# KiCad board BACKUP_PCB.kicad_pcb (continued)
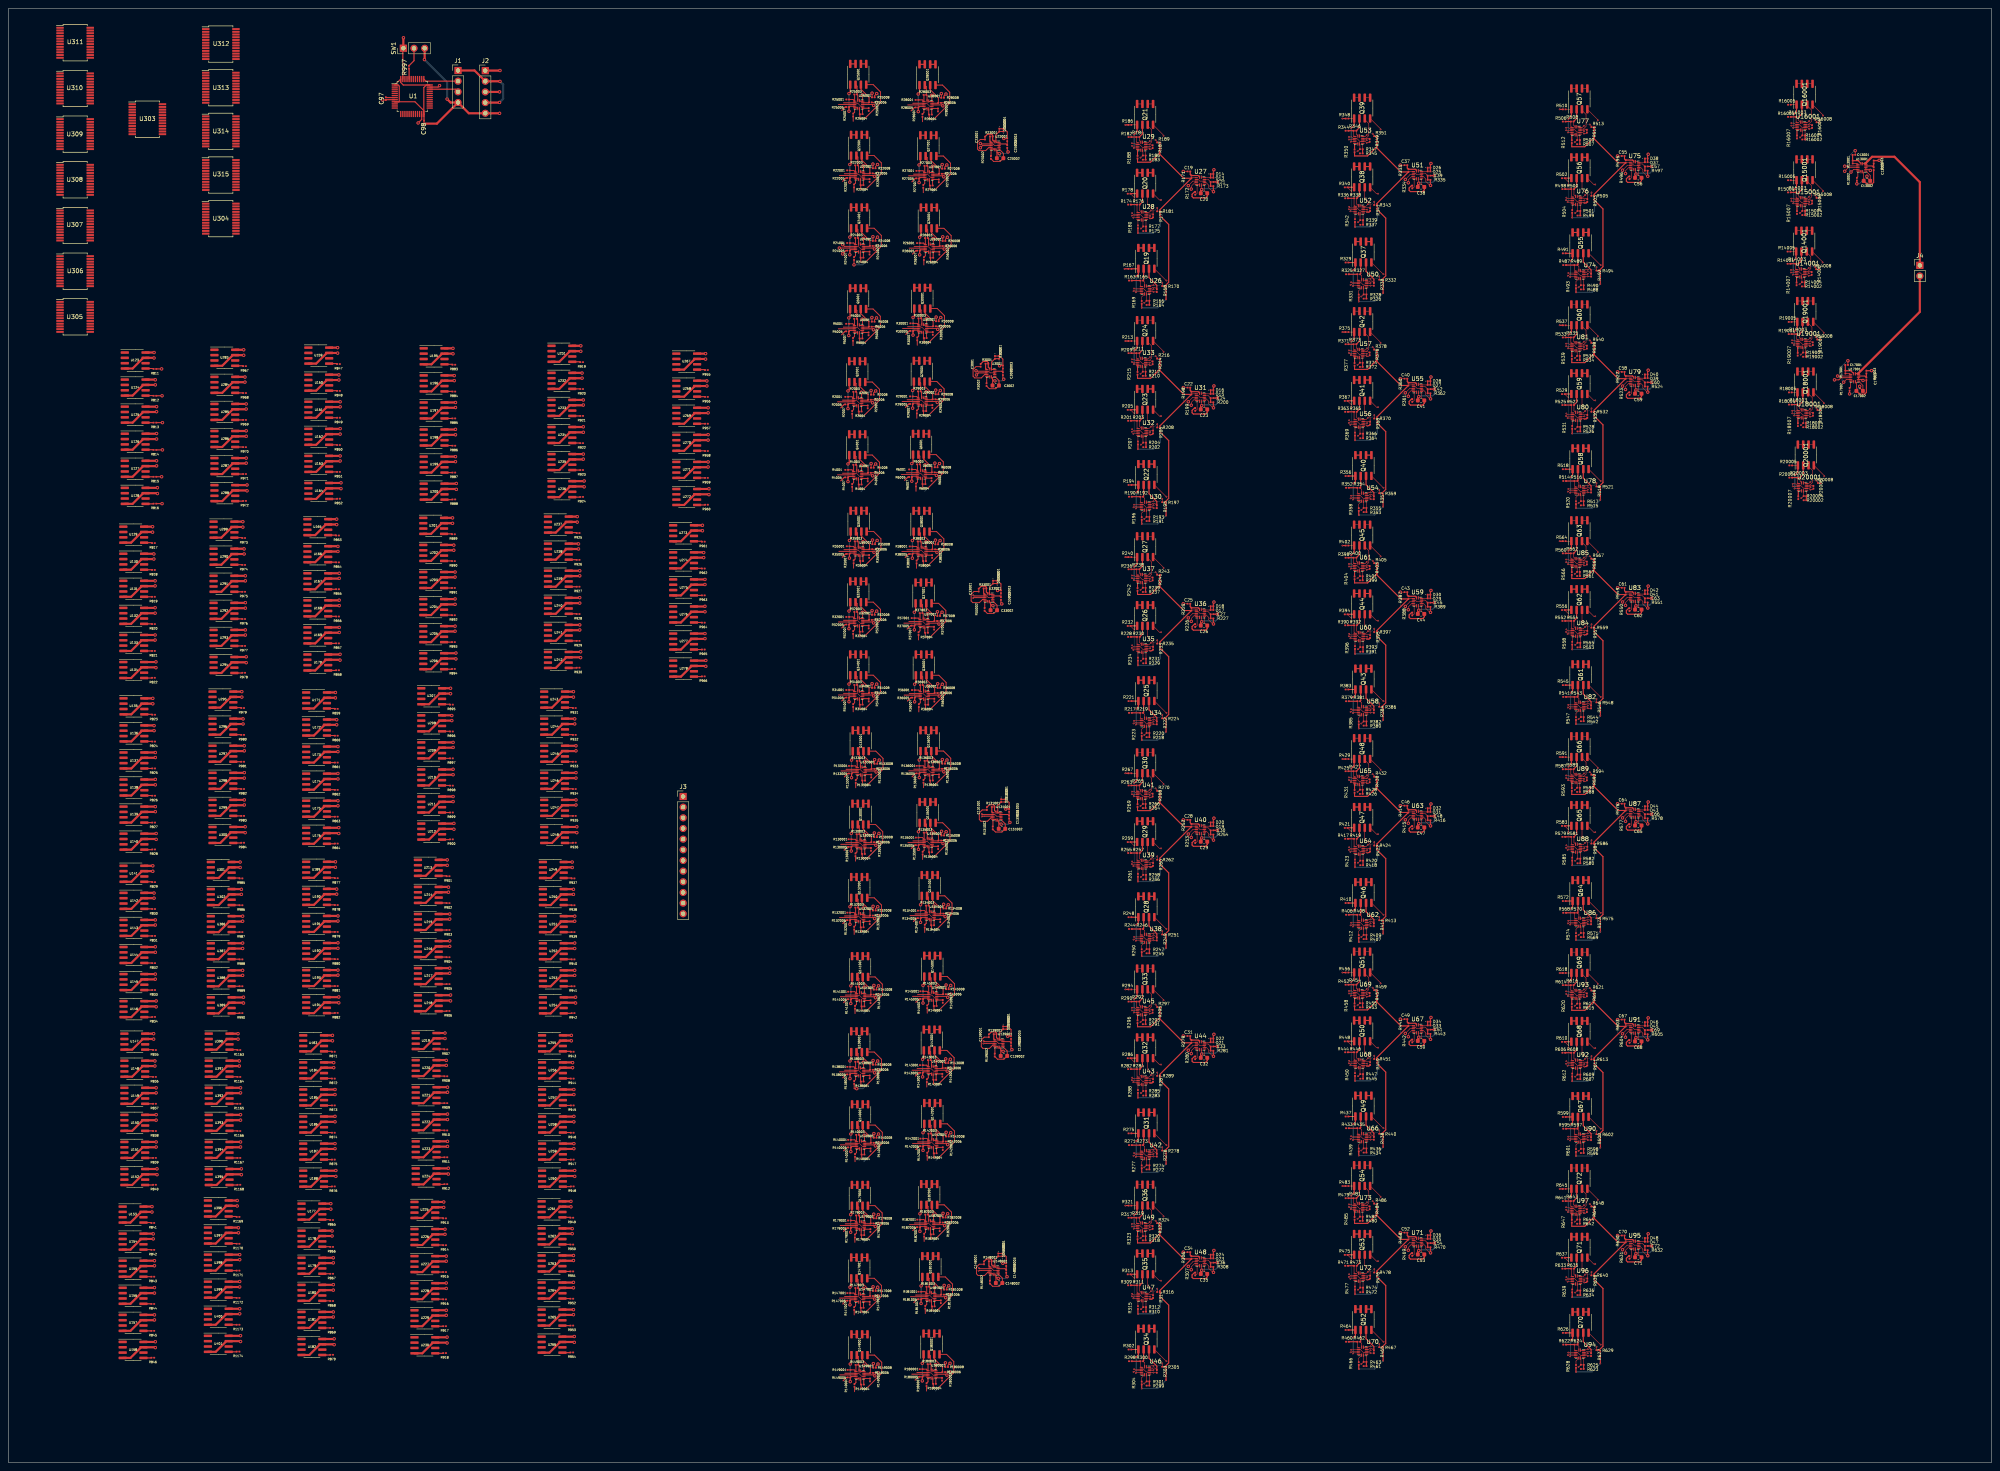
[diagram p0: board, top side]
## Nets (continued)
GND: C97.1 D13.1 D14.2 D15.1 D16.2 D17.1 D18.2 D19.1 D20.2 D21.1 D22.2 D23.1 D24.2 D25.1 D26.2 D27.1 D28.2 D29.1 D30.2 D31.1 D32.2 D33.1 D34.2 D35.1 D36.2 D37.1 D38.2 D39.1 D40.2 D41.1 D42.2 D43.1 D44.2 D45.1 D46.2 D47.1 D48.2 D3001.1 D3002.2 D23001.1 D23002.2 D33001.1 D33002.2 D131001.1 D131002.2 D139001.1 D139002.2 D148001.1 D148002.2 J1.1 J2.2 J2.4 R167.1 R168.1 R173.2 R178.1 R179.1 R186.1 R187.1 R194.1 R195.1 R200.2 R205.1 R206.1 R213.1 R214.1 R221.1 R222.1 R227.2 R232.1 R233.1 R240.1 R241.1 R248.1 R249.1 R254.2 R259.1 R260.1 R267.1 R268.1 R275.1 R276.1 R281.2 R286.1 R287.1 R294.1 R295.1 R302.1 R303.1 R308.2 R313.1 R314.1 R321.1 R322.1 R329.1 R330.1 R335.2 R340.1 R341.1 R348.1 R349.1 R356.1 R357.1 R362.2 R367.1 R368.1 R375.1 R376.1 R383.1 R384.1 R389.2 R394.1 R395.1 R402.1 R403.1 R410.1 R411.1 R416.2 R421.1 R422.1 R429.1 R430.1 R437.1 R438.1 R443.2 R448.1 R449.1 R456.1 R457.1 R464.1 R465.1 R470.2 R475.1 R476.1 R483.1 R484.1 R491.1 R492.1 R497.2 R502.1 R503.1 R510.1 R511.1 R518.1 R519.1 R524.2 R529.1 R530.1 R537.1 R538.1 R545.1 R546.1 R551.2 R556.1 R557.1 R564.1 R565.1 R572.1 R573.1 R578.2 R583.1 R584.1 R591.1 R592.1 R599.1 R600.1 R605.2 R610.1 R611.1 R618.1 R619.1 R626.1 R627.1 R632.2 R637.1 R638.1 R645.1 R646.1 R2005.1 R2006.1 R3003.2 R4005.1 R4006.1 R5005.1 R5006.1 R6005.1 R6006.1 R13003.2 R14005.1 R14006.1 R15005.1 R15006.1 R16005.1 R16006.1 R17003.2 R18005.1 R18006.1 R19005.1 R19006.1 R20005.1 R20006.1 R22005.1 R22006.1 R23003.2 R24005.1 R24006.1 R25005.1 R25006.1 R26005.1 R26006.1 R27005.1 R27006.1 R28005.1 R28006.1 R29005.1 R29006.1 R30005.1 R30006.1 R32005.1 R32006.1 R33003.2 R34005.1 R34006.1 R35005.1 R35006.1 R36005.1 R36006.1 R37005.1 R37006.1 R38005.1 R38006.1 R130005.1 R130006.1 R131003.2 R132005.1 R132006.1 R133005.1 R133006.1 R134005.1 R134006.1 R135005.1 R135006.1 R136005.1 R136006.1 R138005.1 R138006.1 R139003.2 R140005.1 R140006.1 R141005.1 R141006.1 R142005.1 R142006.1 R143005.1 R143006.1 R145005.1 R145006.1 R147005.1 R147006.1 R148003.2 R149005.1 R149006.1 R179005.1 R179006.1 R180005.1 R180006.1 R181005.1 R181006.1 R182005.1 R182006.1 SW1.1 U1.8 U1.23 U1.35 U1.47 U26.2 U26.9 U27.2 U27.9 U27.10 U28.2 U28.9 U29.2 U29.9 U30.2 U30.9 U31.2 U31.9 U31.10 U32.2 U32.9 U33.2 U33.9 U34.2 U34.9 U35.2 U35.9 U36.2 U36.9 U36.10 U37.2 U37.9 U38.2 U38.9 U39.2 U39.9 U40.2 U40.9 U40.10 U41.2 U41.9 U42.2 U42.9 U43.2 U43.9 U44.2 U44.9 U44.10 U45.2 U45.9 U46.2 U46.9 U47.2 U47.9 U48.2 U48.9 U48.10 U49.2 U49.9 U50.2 U50.9 U51.2 U51.9 U51.10 U52.2 U52.9 U53.2 U53.9 U54.2 U54.9 U55.2 U55.9 U55.10 U56.2 U56.9 U57.2 U57.9 U58.2 U58.9 U59.2 U59.9 U59.10 U60.2 U60.9 U61.2 U61.9 U62.2 U62.9 U63.2 U63.9 U63.10 U64.2 U64.9 U65.2 U65.9 U66.2 U66.9 U67.2 U67.9 U67.10 U68.2 U68.9 U69.2 U69.9 U70.2 U70.9 U71.2 U71.9 U71.10 U72.2 U72.9 U73.2 U73.9 U74.2 U74.9 U75.2 U75.9 U75.10 U76.2 U76.9 U77.2 U77.9 U78.2 U78.9 U79.2 U79.9 U79.10 U80.2 U80.9 U81.2 U81.9 U82.2 U82.9 U83.2 U83.9 U83.10 U84.2 U84.9 U85.2 U85.9 U86.2 U86.9 U87.2 U87.9 U87.10 U88.2 U88.9 U89.2 U89.9 U90.2 U90.9 U91.2 U91.9 U91.10 U92.2 U92.9 U93.2 U93.9 U94.2 U94.9 U95.2 U95.9 U95.10 U96.2 U96.9 U97.2 U97.9 U123.4 U123.7 U124.4 U124.7 U125.4 U125.7 U126.4 U126.7 U127.4 U127.7 U128.4 U128.7 U129.4 U129.7 U130.4 U130.7 U131.4 U131.7 U132.4 U132.7 U133.4 U133.7 U134.4 U134.7 U135.4 U135.7 U136.4 U136.7 U137.4 U137.7 U138.4 U138.7 U139.4 U139.7 U140.4 U140.7 U141.4 U141.7 U142.4 U142.7 U143.4 U143.7 U144.4 U144.7 U145.4 U145.7 U146.4 U146.7 U147.4 U147.7 U148.4 U148.7 U149.4 U149.7 U150.4 U150.7 U151.4 U151.7 U152.4 U152.7 U153.4 U153.7 U154.4 U154.7 U155.4 U155.7 U156.4 U156.7 U157.4 U157.7 U158.4 U158.7 U159.4 U159.7 U160.4 U160.7 U161.4 U161.7 U162.4 U162.7 U163.4 U163.7 U164.4 U164.7 U165.4 U165.7 U166.4 U166.7 U167.4 U167.7 U168.4 U168.7 U169.4 U169.7 U170.4 U170.7 U171.4 U171.7 U172.4 U172.7 U173.4 U173.7 U174.4 U174.7 U175.4 U175.7 U176.4 U176.7 U177.4 U177.7 U178.4 U178.7 U179.4 U179.7 U180.4 U180.7 U181.4 U181.7 U182.4 U182.7 U183.4 U183.7 U184.4 U184.7 U185.4 U185.7 U186.4 U186.7 U187.4 U187.7 U188.4 U188.7 U189.4 U189.7 U190.4 U190.7 U191.4 U191.7 U192.4 U192.7 U193.4 U193.7 U194.4 U194.7 U195.4 U195.7 U196.4 U196.7 U197.4 U197.7 U198.4 U198.7 U199.4 U199.7 U200.4 U200.7 U201.4 U201.7 U202.4 U202.7 U203.4 U203.7 U204.4 U204.7 U205.4 U205.7 U206.4 U206.7 U207.4 U207.7 U208.4 U208.7 U209.4 U209.7 U210.4 U210.7 U211.4 U211.7 U212.4 U212.7 U213.4 U213.7 U214.4 U214.7 U215.4 U215.7 U216.4 U216.7 U217.4 U217.7 U218.4 U218.7 U219.4 U219.7 U220.4 U220.7 U221.4 U221.7 U222.4 U222.7 U223.4 U223.7 U224.4 U224.7 U225.4 U225.7 U226.4 U226.7 U227.4 U227.7 U228.4 U228.7 U229.4 U229.7 U230.4 U230.7 U231.4 U231.7 U232.4 U232.7 U233.4 U233.7 U234.4 U234.7 U235.4 U235.7 U236.4 U236.7 U237.4 U237.7 U238.4 U238.7 U239.4 U239.7 U240.4 U240.7 U241.4 U241.7 U242.4 U242.7 U243.4 U243.7 U244.4 U244.7 U245.4 U245.7 U246.4 U246.7 U247.4 U247.7 U248.4 U248.7 U249.4 U249.7 U250.4 U250.7 U251.4 U251.7 U252.4 U252.7 U253.4 U253.7 U254.4 U254.7 U255.4 U255.7 U256.4 U256.7 U257.4 U257.7 U258.4 U258.7 U259.4 U259.7 U260.4 U260.7 U261.4 U261.7 U262.4 U262.7 U263.4 U263.7 U264.4 U264.7 U265.4 U265.7 U266.4 U266.7 U267.4 U267.7 U268.4 U268.7 U269.4 U269.7 U270.4 U270.7 U271.4 U271.7 U272.4 U272.7 U273.4 U273.7 U274.4 U274.7 U275.4 U275.7 U276.4 U276.7 U277.4 U277.7 U278.4 U278.7 U283.4 U283.7 U284.4 U284.7 U285.4 U285.7 U286.4 U286.7 U287.4 U287.7 U288.4 U288.7 U289.4 U289.7 U290.4 U290.7 U291.4 U291.7 U292.4 U292.7 U293.4 U293.7 U294.4 U294.7 U295.4 U295.7 U296.4 U296.7 U297.4 U297.7 U298.4 U298.7 U299.4 U299.7 U300.4 U300.7 U301.4 U301.7 U302.4 U302.7 U303.12 U303.15 U304.12 U304.15 U305.12 U305.15 U306.12 U306.15 U307.12 U307.15 U308.12 U308.15 U309.12 U309.15 U310.12 U310.15 U311.12 U311.15 U312.12 U312.15 U313.12 U313.15 U314.12 U314.15 U315.12 U315.15 U386.4 U386.7 U387.4 U387.7 U388.4 U388.7 U389.4 U389.7 U390.4 U390.7 U391.4 U391.7 U392.4 U392.7 U393.4 U393.7 U394.4 U394.7 U395.4 U395.7 U396.4 U396.7 U397.4 U397.7 U398.4 U398.7 U399.4 U399.7 U400.4 U400.7 U401.4 U401.7 U2001.2 U2001.9 U3001.2 U3001.9 U3001.10 U4001.2 U4001.9 U5001.2 U5001.9 U6001.2 U6001.9 U13001.2 U13001.9 U13001.10 U14001.2 U14001.9 U15001.2 U15001.9 U16001.2 U16001.9 U17001.2 U17001.9 U17001.10 U18001.2 U18001.9 U19001.2 U19001.9 U20001.2 U20001.9 U22001.2 U22001.9 U23001.2 U23001.9 U23001.10 U24001.2 U24001.9 U25001.2 U25001.9 U26001.2 U26001.9 U27001.2 U27001.9 U28001.2 U28001.9 U29001.2 U29001.9 U30001.2 U30001.9 U32001.2 U32001.9 U33001.2 U33001.9 U33001.10 U34001.2 U34001.9 U35001.2 U35001.9 U36001.2 U36001.9 U37001.2 U37001.9 U38001.2 U38001.9 U130001.2 U130001.9 U131001.2 U131001.9 U131001.10 U132001.2 U132001.9 U133001.2 U133001.9 U134001.2 U134001.9 U135001.2 U135001.9 U136001.2 U136001.9 U138001.2 U138001.9 U139001.2 U139001.9 U139001.10 U140001.2 U140001.9 U141001.2 U141001.9 U142001.2 U142001.9 U143001.2 U143001.9 U145001.2 U145001.9 U147001.2 U147001.9 U148001.2 U148001.9 U148001.10 U149001.2 U149001.9 U179001.2 U179001.9 U180001.2 U180001.9 U181001.2 U181001.9 U182001.2 U182001.9
/CS: U1.10 U303.1
/InNeuron_1/Adder3/SUM_IN: R22007.2 R22008.2 R23001.1 R24007.2 R24008.2 R25007.2 R25008.2 R26007.2 R26008.2 R27007.2 R27008.2 R28007.2 R28008.2 U23001.1
/InNeuron_1/OUT: D23001.2 D23002.1 R182.1 R209.1 R236.1 R263.1 R290.1 R317.1 U23001.12 U23001.13
/InNeuron_2/Adder3/SUM_IN: R2007.2 R2008.2 R3001.1 R4007.2 R4008.2 R5007.2 R5008.2 R6007.2 R6008.2 R29007.2 R29008.2 R30007.2 R30008.2 U3001.1
/InNeuron_2/OUT: D3001.2 D3002.1 R183.1 R210.1 R237.1 R264.1 R291.1 R318.1 U3001.12 U3001.13
/InNeuron_3/Adder3/SUM_IN: R32007.2 R32008.2 R33001.1 R34007.2 R34008.2 R35007.2 R35008.2 R36007.2 R36008.2 R37007.2 R37008.2 R38007.2 R38008.2 U33001.1
/InNeuron_3/OUT: D33001.2 D33002.1 R163.1 R190.1 R217.1 R244.1 R271.1 R298.1 U33001.12 U33001.13
/InNeuron_4/Adder3/SUM_IN: R130007.2 R130008.2 R131001.1 R132007.2 R132008.2 R133007.2 R133008.2 R134007.2 R134008.2 R135007.2 R135008.2 R136007.2 R136008.2 U131001.1
/InNeuron_4/OUT: D131001.2 D131002.1 R164.1 R191.1 R218.1 R245.1 R272.1 R299.1 U131001.12 U131001.13
/InNeuron_5/Adder3/SUM_IN: R138007.2 R138008.2 R139001.1 R140007.2 R140008.2 R141007.2 R141008.2 R142007.2 R142008.2 R143007.2 R143008.2 R145007.2 R145008.2 U139001.1
/InNeuron_5/OUT: D139001.2 D139002.1 R174.1 R201.1 R228.1 R255.1 R282.1 R309.1 U139001.12 U139001.13
/InNeuron_6/Adder3/SUM_IN: R147007.2 R147008.2 R148001.1 R149007.2 R149008.2 R179007.2 R179008.2 R180007.2 R180008.2 R181007.2 R181008.2 R182007.2 R182008.2 U148001.1
/InNeuron_6/OUT: D148001.2 D148002.1 R175.1 R202.1 R229.1 R256.1 R283.1 R310.1 U148001.12 U148001.13
/L1_IN1: J3.1 R5001.1 R25001.1 R35001.1 R133001.1 R141001.1 R179001.1
/L1_IN2: J3.2 R5002.1 R25002.1 R35002.1 R133002.1 R141002.1 R179002.1
/L1_IN3: J3.3 R2001.1 R22001.1 R32001.1 R130001.1 R138001.1 R147001.1
/L1_IN4: J3.4 R2002.1 R22002.1 R32002.1 R130002.1 R138002.1 R147002.1
/L1_IN5: J3.5 R4001.1 R24001.1 R34001.1 R132001.1 R140001.1 R149001.1
/L1_IN6: J3.6 R4002.1 R24002.1 R34002.1 R132002.1 R140002.1 R149002.1
/L1_IN7: J3.7 R28001.1 R30001.1 R38001.1 R136001.1 R145001.1 R182001.1
/L1_IN8: J3.8 R28002.1 R30002.1 R38002.1 R136002.1 R145002.1 R182002.1
/L1_IN9: J3.9 R27001.1 R29001.1 R37001.1 R135001.1 R143001.1 R181001.1
/L1_IN10: J3.10 R27002.1 R29002.1 R37002.1 R135002.1 R143002.1 R181002.1
/L1_IN11: J3.11 R6001.1 R26001.1 R36001.1 R134001.1 R142001.1 R180001.1
/L1_IN12: J3.12 R6002.1 R26002.1 R36002.1 R134002.1 R142002.1 R180002.1
/L5_OUT1: J4.1 U13001.12 U13001.13
/L5_OUT2: J4.2 U17001.12 U17001.13
/MISO: U1.16
/MOSI: U1.17 U123.3 U124.3 U125.3 U126.3 U127.3 U128.3 U129.3 U130.3 U131.3 U132.3 U133.3 U134.3 U135.3 U136.3 U137.3 U138.3 U139.3 U140.3 U141.3 U142.3 U143.3 U144.3 U145.3 U146.3 U147.3 U148.3 U149.3 U150.3 U151.3 U152.3 U153.3 U154.3 U155.3 U156.3 U157.3 U158.3 U159.3 U160.3 U161.3 U162.3 U163.3 U164.3 U165.3 U166.3 U167.3 U168.3 U169.3 U170.3 U171.3 U172.3 U173.3 U174.3 U175.3 U176.3 U177.3 U178.3 U179.3 U180.3 U181.3 U182.3 U183.3 U184.3 U185.3 U186.3 U187.3 U188.3 U189.3 U190.3 U191.3 U192.3 U193.3 U194.3 U195.3 U196.3 U197.3 U198.3 U199.3 U200.3 U201.3 U202.3 U203.3 U204.3 U205.3 U206.3 U207.3 U208.3 U209.3 U210.3 U211.3 U212.3 U213.3 U214.3 U215.3 U216.3 U217.3 U218.3 U219.3 U220.3 U221.3 U222.3 U223.3 U224.3 U225.3 U226.3 U227.3 U228.3 U229.3 U230.3 U231.3 U232.3 U233.3 U234.3 U235.3 U236.3 U237.3 U238.3 U239.3 U240.3 U241.3 U242.3 U243.3 U244.3 U245.3 U246.3 U247.3 U248.3 U249.3 U250.3 U251.3 U252.3 U253.3 U254.3 U255.3 U256.3 U257.3 U258.3 U259.3 U260.3 U261.3 U262.3 U263.3 U264.3 U265.3 U266.3 U267.3 U268.3 U269.3 U270.3 U271.3 U272.3 U273.3 U274.3 U275.3 U276.3 U277.3 U278.3 U283.3 U284.3 U285.3 U286.3 U287.3 U288.3 U289.3 U290.3 U291.3 U292.3 U293.3 U294.3 U295.3 U296.3 U297.3 U298.3 U299.3 U300.3 U301.3 U302.3 U386.3 U387.3 U388.3 U389.3 U390.3 U391.3 U392.3 U393.3 U394.3 U395.3 U396.3 U397.3 U398.3 U399.3 U400.3 U401.3
/Neuron6_1/Adder2/SUM_IN: R169.2 R170.2 R171.1 R180.2 R181.2 R188.2 R189.2 U27.1
/Neuron6_1/OUT: D13.2 D14.1 R344.1 R371.1 R425.1 R452.1 R479.1 U27.12 U27.13
/Neuron6_2/Adder2/SUM_IN: R196.2 R197.2 R198.1 R207.2 R208.2 R215.2 R216.2 U31.1
/Neuron6_3/Adder2/SUM_IN: R223.2 R224.2 R225.1 R234.2 R235.2 R242.2 R243.2 U36.1
/Neuron6_4/Adder2/SUM_IN: R250.2 R251.2 R252.1 R261.2 R262.2 R269.2 R270.2 U40.1
/Neuron6_5/Adder2/SUM_IN: R277.2 R278.2 R279.1 R288.2 R289.2 R296.2 R297.2 U44.1
/Neuron6_6/Adder2/SUM_IN: R304.2 R305.2 R306.1 R315.2 R316.2 R323.2 R324.2 U48.1
/Neuron6_7/Adder2/SUM_IN: R331.2 R332.2 R333.1 R342.2 R343.2 R350.2 R351.2 U51.1
/Neuron6_8/Adder2/SUM_IN: R358.2 R359.2 R360.1 R369.2 R370.2 R377.2 R378.2 U55.1
/Neuron6_9/Adder2/SUM_IN: R385.2 R386.2 R387.1 R396.2 R397.2 R404.2 R405.2 U59.1
/Neuron6_9/IN1: R398.1
/Neuron6_10/Adder2/SUM_IN: R412.2 R413.2 R414.1 R423.2 R424.2 R431.2 R432.2 U63.1
/Neuron6_10/IN2: D15.2 D16.1 R345.1 R372.1 R399.1 R426.1 R453.1 R480.1 U31.12 U31.13
/Neuron6_10/IN3: D17.2 D18.1 R325.1 R352.1 R379.1 R406.1 R433.1 R460.1 U36.12 U36.13
/Neuron6_10/IN4: D19.2 D20.1 R326.1 R353.1 R380.1 R407.1 R434.1 R461.1 U40.12 U40.13
/Neuron6_10/IN5: D21.2 D22.1 R336.1 R363.1 R390.1 R417.1 R444.1 R471.1 U44.12 U44.13
/Neuron6_10/IN6: D23.2 D24.1 R337.1 R364.1 R391.1 R418.1 R445.1 R472.1 U48.12 U48.13
/Neuron6_10/OUT: D31.2 D32.1 R488.1 R515.1 R542.1 R569.1 R596.1 R623.1 U63.12 U63.13
/Neuron6_11/Adder2/SUM_IN: R439.2 R440.2 R441.1 R450.2 R451.2 R458.2 R459.2 U67.1
/Neuron6_11/OUT: D33.2 D34.1 R498.1 R525.1 R552.1 R579.1 R606.1 R633.1 U67.12 U67.13
/Neuron6_12/Adder2/SUM_IN: R466.2 R467.2 R468.1 R477.2 R478.2 R485.2 R486.2 U71.1
/Neuron6_12/OUT: D35.2 D36.1 R499.1 R526.1 R553.1 R580.1 R607.1 R634.1 U71.12 U71.13
/Neuron6_13/Adder2/SUM_IN: R493.2 R494.2 R495.1 R504.2 R505.2 R512.2 R513.2 U75.1
/Neuron6_13/IN1: D25.2 D26.1 R506.1 R533.1 R560.1 R587.1 R614.1 R641.1 U51.12 U51.13
/Neuron6_13/IN2: D27.2 D28.1 R507.1 R534.1 R561.1 R588.1 R615.1 R642.1 U55.12 U55.13
/Neuron6_13/IN3: D29.2 D30.1 R487.1 R514.1 R541.1 R568.1 R595.1 R622.1 U59.12 U59.13
/Neuron6_13/OUT: D37.2 D38.1 R16001.1 R20001.1 U75.12 U75.13
/Neuron6_14/Adder2/SUM_IN: R520.2 R521.2 R522.1 R531.2 R532.2 R539.2 R540.2 U79.1
/Neuron6_14/OUT: D39.2 D40.1 R16002.1 R20002.1 U79.12 U79.13
/Neuron6_15/Adder2/SUM_IN: R547.2 R548.2 R549.1 R558.2 R559.2 R566.2 R567.2 U83.1
/Neuron6_15/OUT: D41.2 D42.1 R14001.1 R18001.1 U83.12 U83.13
/Neuron6_16/Adder2/SUM_IN: R574.2 R575.2 R576.1 R585.2 R586.2 R593.2 R594.2 U87.1
/Neuron6_16/OUT: D43.2 D44.1 R14002.1 R18002.1 U87.12 U87.13
/Neuron6_17/Adder2/SUM_IN: R601.2 R602.2 R603.1 R612.2 R613.2 R620.2 R621.2 U91.1
/Neuron6_17/OUT: D45.2 D46.1 R15001.1 R19001.1 U91.12 U91.13
/Neuron6_18/Adder2/SUM_IN: R628.2 R629.2 R630.1 R639.2 R640.2 R647.2 R648.2 U95.1
/Neuron6_18/OUT: D47.2 D48.1 R15002.1 R19002.1 U95.12 U95.13
/NRST: C97.2 U1.7
/OutNeuron_1/AdderOut1/SUM_IN: R13001.1 R14007.2 R14008.2 R15007.2 R15008.2 R16007.2 R16008.2 U13001.1
/OutNeuron_2/AdderOut1/SUM_IN: R17001.1 R18007.2 R18008.2 R19007.2 R19008.2 R20007.2 R20008.2 U17001.1
/S0: U1.25 U304.10 U305.10 U306.10 U307.10 U308.10 U309.10 U310.10 U311.10 U312.10 U313.10 U314.10 U315.10
/S1: U1.26 U304.11 U305.11 U306.11 U307.11 U308.11 U309.11 U310.11 U311.11 U312.11 U313.11 U314.11 U315.11
/S2: U1.27 U304.14 U305.14 U306.14 U307.14 U308.14 U309.14 U310.14 U311.14 U312.14 U313.14 U314.14 U315.14
/S3: U1.28 U304.13 U305.13 U306.13 U307.13 U308.13 U309.13 U310.13 U311.13 U312.13 U313.13 U314.13 U315.13
/S4: U1.29 U303.10
/S5: U1.30 U303.11
/S6: U1.31 U303.14
/S7: U1.32 U303.13
/SCK: U1.15 U123.2 U124.2 U125.2 U126.2 U127.2 U128.2 U129.2 U130.2 U131.2 U132.2 U133.2 U134.2 U135.2 U136.2 U137.2 U138.2 U139.2 U140.2 U141.2 U142.2 U143.2 U144.2 U145.2 U146.2 U147.2 U148.2 U149.2 U150.2 U151.2 U152.2 U153.2 U154.2 U155.2 U156.2 U157.2 U158.2 U159.2 U160.2 U161.2 U162.2 U163.2 U164.2 U165.2 U166.2 U167.2 U168.2 U169.2 U170.2 U171.2 U172.2 U173.2 U174.2 U175.2 U176.2 U177.2 U178.2 U179.2 U180.2 U181.2 U182.2 U183.2 U184.2 U185.2 U186.2 U187.2 U188.2 U189.2 U190.2 U191.2 U192.2 U193.2 U194.2 U195.2 U196.2 U197.2 U198.2 U199.2 U200.2 U201.2 U202.2 U203.2 U204.2 U205.2 U206.2 U207.2 U208.2 U209.2 U210.2 U211.2 U212.2 U213.2 U214.2 U215.2 U216.2 U217.2 U218.2 U219.2 U220.2 U221.2 U222.2 U223.2 U224.2 U225.2 U226.2 U227.2 U228.2 U229.2 U230.2 U231.2 U232.2 U233.2 U234.2 U235.2 U236.2 U237.2 U238.2 U239.2 U240.2 U241.2 U242.2 U243.2 U244.2 U245.2 U246.2 U247.2 U248.2 U249.2 U250.2 U251.2 U252.2 U253.2 U254.2 U255.2 U256.2 U257.2 U258.2 U259.2 U260.2 U261.2 U262.2 U263.2 U264.2 U265.2 U266.2 U267.2 U268.2 U269.2 U270.2 U271.2 U272.2 U273.2 U274.2 U275.2 U276.2 U277.2 U278.2 U283.2 U284.2 U285.2 U286.2 U287.2 U288.2 U289.2 U290.2 U291.2 U292.2 U293.2 U294.2 U295.2 U296.2 U297.2 U298.2 U299.2 U300.2 U301.2 U302.2 U386.2 U387.2 U388.2 U389.2 U390.2 U391.2 U392.2 U393.2 U394.2 U395.2 U396.2 U397.2 U398.2 U399.2 U400.2 U401.2
/SWCLK: J1.2 U1.37
/SWDIO: J1.3 U1.34
/VariableWeights/CS111: U123.1 U304.2
/VariableWeights/CS112: U124.1 U304.3
/VariableWeights/CS113: U125.1 U304.4
/VariableWeights/CS114: U126.1 U304.5
/VariableWeights/CS115: U127.1 U304.6
/VariableWeights/CS116: U128.1 U304.7
/VariableWeights/CS117: U283.1 U313.19
/VariableWeights/CS118: U284.1 U313.18
/VariableWeights/CS119: U285.1 U313.17
/VariableWeights/CS121: U129.1 U304.8
/VariableWeights/CS122: U130.1 U304.9
/VariableWeights/CS123: U131.1 U304.23
/VariableWeights/CS124: U132.1 U304.22
/VariableWeights/CS125: U133.1 U304.21
/VariableWeights/CS126: U134.1 U304.20
/VariableWeights/CS127: U289.1 U314.7
/VariableWeights/CS128: U290.1 U314.6
/VariableWeights/CS129: U291.1 U314.5
/VariableWeights/CS131: U135.1 U304.19
/VariableWeights/CS132: U136.1 U304.18
/VariableWeights/CS133: U137.1 U304.17
/VariableWeights/CS134: U138.1 U304.16
/VariableWeights/CS135: U139.1 U305.2
/VariableWeights/CS136: U140.1 U305.3
/VariableWeights/CS137: U295.1 U314.23
/VariableWeights/CS138: U296.1 U314.22
/VariableWeights/CS139: U297.1 U314.21
/VariableWeights/CS141: U141.1 U305.4
/VariableWeights/CS142: U142.1 U305.5
/VariableWeights/CS143: U143.1 U305.6
/VariableWeights/CS144: U144.1 U305.7
/VariableWeights/CS145: U145.1 U305.8
/VariableWeights/CS146: U146.1 U305.9
/VariableWeights/CS147: U301.1 U314.17
/VariableWeights/CS148: U302.1 U314.16
/VariableWeights/CS149: U315.9 U386.1
/VariableWeights/CS151: U147.1 U305.23
/VariableWeights/CS152: U148.1 U305.22
/VariableWeights/CS153: U149.1 U305.21
/VariableWeights/CS154: U150.1 U305.20
/VariableWeights/CS155: U151.1 U305.19
/VariableWeights/CS156: U152.1 U305.18
/VariableWeights/CS157: U315.5 U390.1
/VariableWeights/CS158: U315.4 U391.1
/VariableWeights/CS159: U315.3 U392.1
/VariableWeights/CS161: U153.1 U305.17
/VariableWeights/CS162: U154.1 U305.16
/VariableWeights/CS163: U155.1 U306.2
/VariableWeights/CS164: U156.1 U306.3
/VariableWeights/CS165: U157.1 U306.4
/VariableWeights/CS166: U158.1 U306.5
/VariableWeights/CS167: U315.21 U396.1
/VariableWeights/CS168: U315.20 U397.1
/VariableWeights/CS169: U315.19 U398.1
/VariableWeights/CS211: U159.1 U306.6
/VariableWeights/CS212: U160.1 U306.7
/VariableWeights/CS213: U161.1 U306.8
/VariableWeights/CS214: U162.1 U306.9
/VariableWeights/CS215: U163.1 U306.23
/VariableWeights/CS216: U164.1 U306.22
/VariableWeights/CS221: U165.1 U306.21
/VariableWeights/CS222: U166.1 U306.20
/VariableWeights/CS223: U167.1 U306.19
/VariableWeights/CS224: U168.1 U306.18
/VariableWeights/CS225: U169.1 U306.17
/VariableWeights/CS226: U170.1 U306.16
/VariableWeights/CS231: U171.1 U307.2
/VariableWeights/CS232: U172.1 U307.3
/VariableWeights/CS233: U173.1 U307.4
/VariableWeights/CS234: U174.1 U307.5
/VariableWeights/CS235: U175.1 U307.6
/VariableWeights/CS236: U176.1 U307.7
/VariableWeights/CS241: U189.1 U307.8
/VariableWeights/CS242: U190.1 U307.9
/VariableWeights/CS243: U191.1 U307.23
/VariableWeights/CS244: U192.1 U307.22
/VariableWeights/CS245: U193.1 U307.21
/VariableWeights/CS246: U194.1 U307.20
/VariableWeights/CS251: U183.1 U307.19
/VariableWeights/CS252: U184.1 U307.18
/VariableWeights/CS253: U185.1 U307.17
/VariableWeights/CS254: U186.1 U307.16
/VariableWeights/CS255: U187.1 U308.2
/VariableWeights/CS256: U188.1 U308.3
/VariableWeights/CS261: U177.1 U308.4
/VariableWeights/CS262: U178.1 U308.5
/VariableWeights/CS263: U179.1 U308.6
/VariableWeights/CS264: U180.1 U308.7
/VariableWeights/CS265: U181.1 U308.8
/VariableWeights/CS266: U182.1 U308.9
/VariableWeights/CS311: U195.1 U308.23
/VariableWeights/CS312: U196.1 U308.22
/VariableWeights/CS313: U197.1 U308.21
/VariableWeights/CS314: U198.1 U308.20
/VariableWeights/CS315: U199.1 U308.19
/VariableWeights/CS316: U200.1 U308.18
/VariableWeights/CS321: U201.1 U308.17
/VariableWeights/CS322: U202.1 U308.16
/VariableWeights/CS323: U203.1 U309.2
/VariableWeights/CS324: U204.1 U309.3
/VariableWeights/CS325: U205.1 U309.4
/VariableWeights/CS326: U206.1 U309.5
/VariableWeights/CS331: U207.1 U309.6
/VariableWeights/CS332: U208.1 U309.7
/VariableWeights/CS333: U209.1 U309.8
/VariableWeights/CS334: U210.1 U309.9
/VariableWeights/CS335: U211.1 U309.23
/VariableWeights/CS336: U212.1 U309.22
/VariableWeights/CS341: U213.1 U309.21
/VariableWeights/CS342: U214.1 U309.20
/VariableWeights/CS343: U215.1 U309.19
/VariableWeights/CS344: U216.1 U309.18
/VariableWeights/CS345: U217.1 U309.17
/VariableWeights/CS346: U218.1 U309.16
/VariableWeights/CS351: U219.1 U310.2
/VariableWeights/CS352: U220.1 U310.3
/VariableWeights/CS353: U221.1 U310.4
/VariableWeights/CS354: U222.1 U310.5
/VariableWeights/CS355: U223.1 U310.6
/VariableWeights/CS356: U224.1 U310.7
/VariableWeights/CS361: U225.1 U310.8
/VariableWeights/CS362: U226.1 U310.9
/VariableWeights/CS363: U227.1 U310.23
/VariableWeights/CS364: U228.1 U310.22
/VariableWeights/CS365: U229.1 U310.21
/VariableWeights/CS366: U230.1 U310.20
/VariableWeights/CS411: U231.1 U310.19
/VariableWeights/CS412: U232.1 U310.18
/VariableWeights/CS413: U233.1 U310.17
/VariableWeights/CS414: U234.1 U310.16
/VariableWeights/CS415: U235.1 U311.2
/VariableWeights/CS416: U236.1 U311.3
/VariableWeights/CS421: U237.1 U311.4
/VariableWeights/CS422: U238.1 U311.5
/VariableWeights/CS423: U239.1 U311.6
/VariableWeights/CS424: U240.1 U311.7
/VariableWeights/CS425: U241.1 U311.8
/VariableWeights/CS426: U242.1 U311.9
/VariableWeights/CS431: U243.1 U311.23
/VariableWeights/CS432: U244.1 U311.22
/VariableWeights/CS433: U245.1 U311.21
/VariableWeights/CS434: U246.1 U311.20
/VariableWeights/CS435: U247.1 U311.19
/VariableWeights/CS436: U248.1 U311.18
/VariableWeights/CS441: U249.1 U311.17
/VariableWeights/CS442: U250.1 U311.16
/VariableWeights/CS443: U251.1 U312.2
/VariableWeights/CS444: U252.1 U312.3
/VariableWeights/CS445: U253.1 U312.4
/VariableWeights/CS446: U254.1 U312.5
/VariableWeights/CS451: U255.1 U312.6
/VariableWeights/CS452: U256.1 U312.7
/VariableWeights/CS453: U257.1 U312.8
/VariableWeights/CS454: U258.1 U312.9
/VariableWeights/CS455: U259.1 U312.23
/VariableWeights/CS456: U260.1 U312.22
/VariableWeights/CS461: U261.1 U312.21
/VariableWeights/CS462: U262.1 U312.20
/VariableWeights/CS463: U263.1 U312.19
/VariableWeights/CS464: U264.1 U312.18
/VariableWeights/CS465: U265.1 U312.17
/VariableWeights/CS466: U266.1 U312.16
/VariableWeights/CS511: U267.1 U313.2
/VariableWeights/CS512: U268.1 U313.3
/VariableWeights/CS513: U269.1 U313.4
/VariableWeights/CS514: U270.1 U313.5
/VariableWeights/CS515: U271.1 U313.6
/VariableWeights/CS516: U272.1 U313.7
/VariableWeights/CS521: U273.1 U313.8
/VariableWeights/CS522: U274.1 U313.9
/VariableWeights/CS523: U275.1 U313.23
/VariableWeights/CS524: U276.1 U313.22
/VariableWeights/CS525: U277.1 U313.21
/VariableWeights/CS526: U278.1 U313.20
/VariableWeights/CS1110: U286.1 U313.16
/VariableWeights/CS1111: U287.1 U314.9
/VariableWeights/CS1112: U288.1 U314.8
/VariableWeights/CS1210: U292.1 U314.4
/VariableWeights/CS1211: U293.1 U314.3
/VariableWeights/CS1212: U294.1 U314.2
/VariableWeights/CS1310: U298.1 U314.20
/VariableWeights/CS1311: U299.1 U314.19
/VariableWeights/CS1312: U300.1 U314.18
/VariableWeights/CS1410: U315.8 U387.1
/VariableWeights/CS1411: U315.7 U388.1
/VariableWeights/CS1412: U315.6 U389.1
/VariableWeights/CS1510: U315.2 U393.1
/VariableWeights/CS1511: U315.23 U394.1
/VariableWeights/CS1512: U315.22 U395.1
/VariableWeights/CS1610: U315.18 U399.1
/VariableWeights/CS1611: U315.17 U400.1
/VariableWeights/CS1612: U315.16 U401.1
/VariableWeights/WeightCtrlChipSel/MUX0: U303.9 U304.1
/VariableWeights/WeightCtrlChipSel/MUX1: U303.8 U305.1
/VariableWeights/WeightCtrlChipSel/MUX2: U303.7 U306.1
/VariableWeights/WeightCtrlChipSel/MUX3: U303.6 U307.1
/VariableWeights/WeightCtrlChipSel/MUX4: U303.5 U308.1
/VariableWeights/WeightCtrlChipSel/MUX5: U303.4 U309.1
/VariableWeights/WeightCtrlChipSel/MUX6: U303.3 U310.1
/VariableWeights/WeightCtrlChipSel/MUX7: U303.2 U311.1
/VariableWeights/WeightCtrlChipSel/MUX8: U303.23 U312.1
/VariableWeights/WeightCtrlChipSel/MUX9: U303.22 U313.1
/VariableWeights/WeightCtrlChipSel/MUX10: U303.21 U314.1
/VariableWeights/WeightCtrlChipSel/MUX11: U303.20 U315.1
/W111: Q25001.7 Q25001.8 U123.6
/W112: Q25001.5 Q25001.6 U124.6
/W113: Q22001.7 Q22001.8 U125.6
/W114: Q22001.5 Q22001.6 U126.6
/W115: Q24001.7 Q24001.8 U127.6
/W116: Q24001.5 Q24001.6 U128.6
/W117: Q28001.7 Q28001.8 U283.6
/W118: Q28001.5 Q28001.6 U284.6
/W119: Q27001.7 Q27001.8 U285.6
/W121: Q5001.7 Q5001.8 U129.6
/W122: Q5001.5 Q5001.6 U130.6
/W123: Q2001.7 Q2001.8 U131.6
/W124: Q2001.5 Q2001.6 U132.6
/W125: Q4001.7 Q4001.8 U133.6
/W126: Q4001.5 Q4001.6 U134.6
/W127: Q30001.7 Q30001.8 U289.6
/W128: Q30001.5 Q30001.6 U290.6
/W129: Q29001.7 Q29001.8 U291.6
/W131: Q35001.7 Q35001.8 U135.6
/W132: Q35001.5 Q35001.6 U136.6
/W133: Q32001.7 Q32001.8 U137.6
/W134: Q32001.5 Q32001.6 U138.6
/W135: Q34001.7 Q34001.8 U139.6
/W136: Q34001.5 Q34001.6 U140.6
/W137: Q38001.7 Q38001.8 U295.6
/W138: Q38001.5 Q38001.6 U296.6
/W139: Q37001.7 Q37001.8 U297.6
/W141: Q133001.7 Q133001.8 U141.6
/W142: Q133001.5 Q133001.6 U142.6
/W143: Q130001.7 Q130001.8 U143.6
/W144: Q130001.5 Q130001.6 U144.6
/W145: Q132001.7 Q132001.8 U145.6